# Altium PCB TEBF0808.PcbDoc (part 3 of 11) (continued)
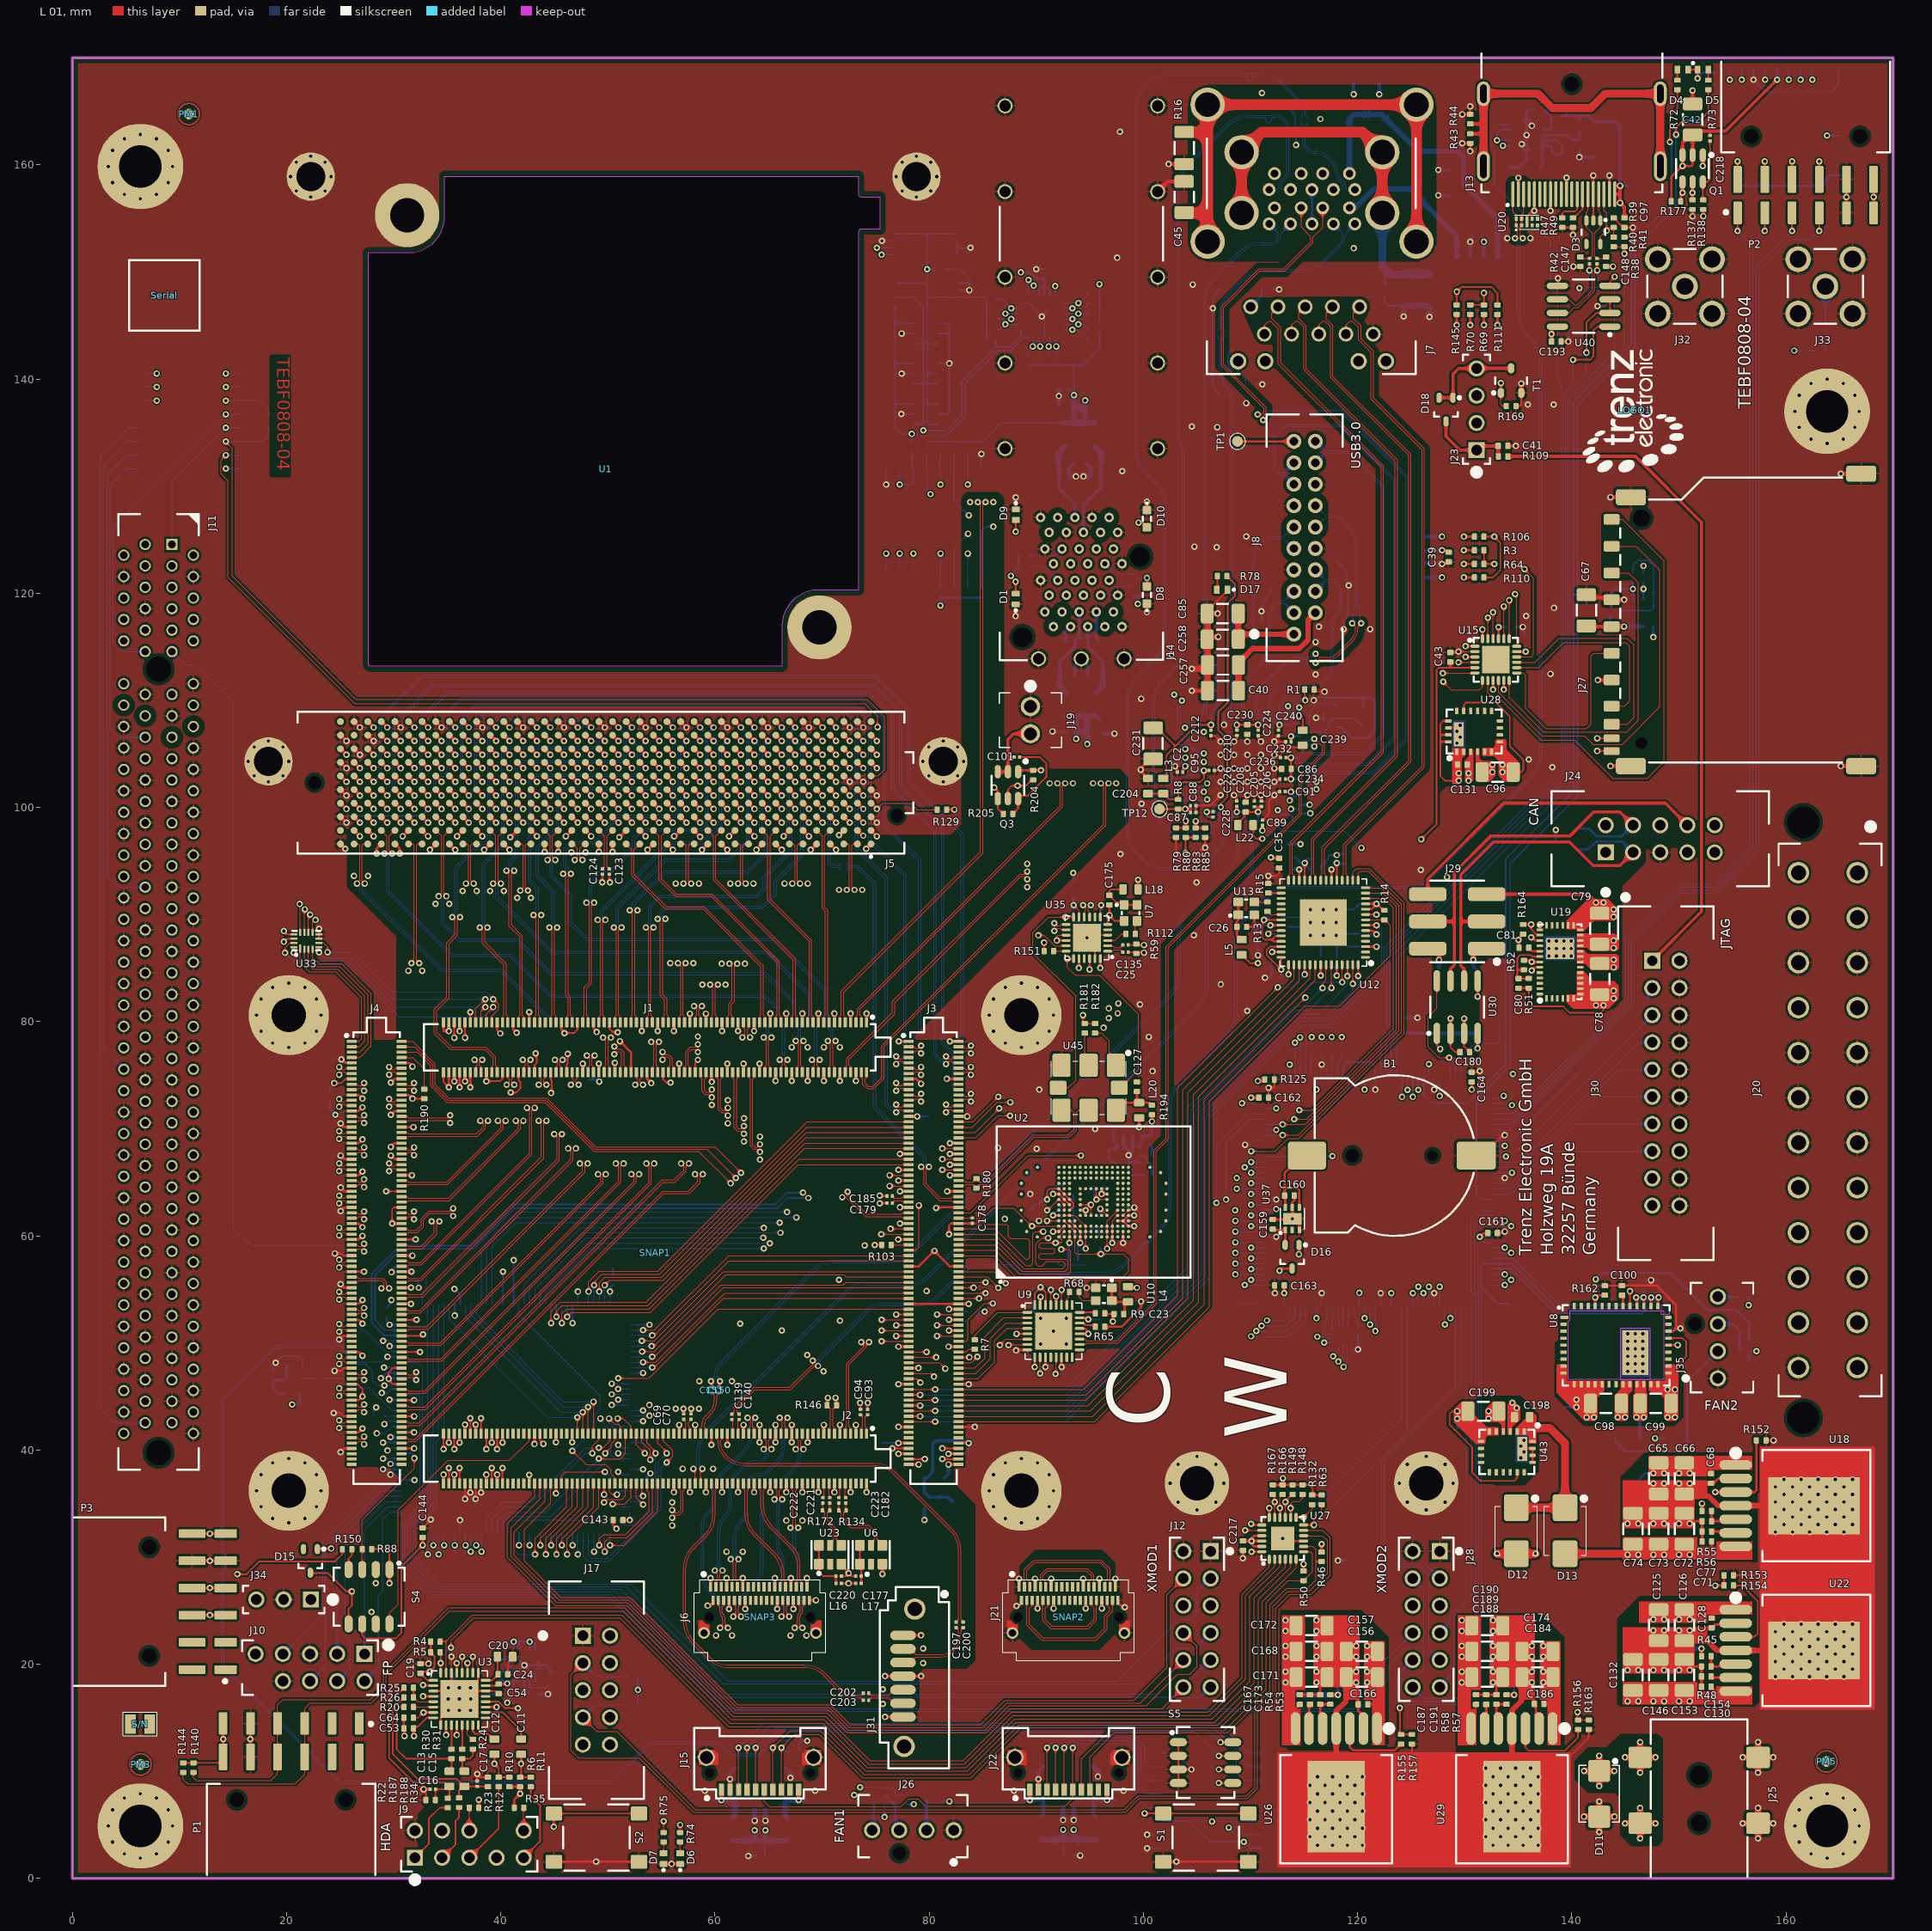
[diagram p0: L 01 view]
## Nets (pads, with @x,y where several pads share a name; then routed paths per layer and width w, separated by ;. In a path a pad name is that pad's centre, name@x,y a point inside that pad or via, vN(x,y) a via of type N, cw(c..) or ccw(c..) an arc to the next point about the centre after c; other vN are vias at no path point) (continued)
  L 01 w0.2: L18.1@99.51,92.35 v1(99.51,93.24) ; C217.2@109.3,31.525 109.325,31.5 v1(110.1,31.5) ; U27.23@111.05,31 110.325,31 110.1,31.225 v1(110.1,31.5) ; U27.22@111.05,31.5 v1(110.1,31.5) ; U27.21@111.05,32 110.3,32 110.1,31.8 v1(110.1,31.5) ; v1(114.525,58.275) D16.1@114.525,59.15
  L 16 w0.1: U39.30@47.2,53.62 v1(47.2,54.79) ; v1(50.95,44.7) U39.51@52.12,44.7 ; U39.37@52.12,51.7 v1(53.89,51.7) ; C22.1@91.85,53.7 v1(91.85,54.35) ; v1(109.46,55.4) U17.37@111.23,55.4 ; U17.66@111.23,69.9 v1(112.4,69.9)
  L 16 w0.15: v1(33.4,19.3) 34.07,19.3 C18.1@34.18,19.19 ; v1(35.7,52.55) U39.7@35.7,53.62 ; U39.16@40.2,53.62 v1(40.2,56.65) ; U39.66@52.12,37.2 53.351,37.2 v1(53.969,37.817) ; R135.2@52.79,16.225 52.795,16.23 v1(52.795,17.6) R136.2@52.795,18.825 ; R142.1@84.545,51.975 R141.1@84.545,52.925 v1(85.175,52.925) ; R90.1@89.325,62.37 89.93,62.975 C107.1@90.25,62.975 90.675,63.4 v1(91,63.4) ; C158.2@89.6,54.85 89.95,55.2 v1(90.4,55.2) ; U16.21@90.26,147.8 90.26,148.315 90.59,148.645 90.76,148.645 ; U16.22@90.76,147.8 90.76,148.645 ; U16.23@91.26,147.8 91.26,148.295 90.91,148.645 90.76,148.645 ; R99.1@93.445,63.85 R92.1@93.445,62.95 R91.1@93.445,62 R94.1@93.445,61.05 R93.1@93.445,60.1 94.1,60.1 94.395,60.395 R96.1@94.9,60.395 94.97,60.395 95.4,60.825 R184.1@95.825,60.825 ; R95.1@95.825,59.97 R184.1@95.825,60.825 ; R184.1@95.825,60.83 R184.1@95.825,60.825 ; v1(99.15,60.9) 98.425,60.9 ; v1(99.15,61.9) 98.5,61.9 C108.1@98.425,61.825 98.425,60.9 ; U17.51@111.23,62.4 112.3,62.4 v1(112.4,62.5) ; v1(116.55,84.3) C27.1@116.55,85.157 ; v1(118.05,84.3) C28.1@118.05,85.107 ; TP7.1@142.6,82.525 142.95,82.175 v1(142.95,81.525) ; R184.1@95.825,60.825 98.35,60.825 98.425,60.9
  L 16 w0.2: v1(88.55,149.955) 89.425,149.955 90.025,149.355 C215.2@90.775,149.355 ; C215.2@90.625,149.205 C215.2@90.775,149.355 ; 90.775,148.66 C215.2@90.775,149.355 ; C14.1@121.05,91 v1(121.75,91)
  other v1: 142.25,81.525 143.9,82.175 143.9,82.875
1.8V_EN: R164.2 U19.27 U39.106 | length 151.8
  L 01 w0.15: R164.2@135.5,89.075 v1(136.2,89.075) 136.2,88.625 136.75,88.075 U19.27@137,88.075
  L 05 S w0.1: v1(33.7,31.11) 33.7,32.575 33.975,32.85 33.975,37.975 35.325,39.325 35.975,39.325 37.9,41.25 75.725,41.25 76.153,41.678 81.228,41.678 84.567,45.017 100.267,45.017 113.15,57.9 114.264,57.9 114.339,57.825 114.711,57.825 114.786,57.9 135,57.9 136.75,59.65 136.75,88.525 v1(136.2,89.075)
  L 16 w0.1: v1(33.7,31.11) U39.106@33.7,32.28
3.3V_MOD: C130.1 C132.1 C146.1 C153.1 J1.151 J1.153 J1.155 J1.157 J1.159 J2.138 J2.140 J2.142 J2.144 J2.153 J2.154 J2.155 J2.156 J2.157 J2.158 J2.159 J2.160 J3.157 J3.158 J3.159 J3.160 L1.2 R45.1 TP4.1 U22.7 | length 30.1
  L 01 w0.15: J2.160@34.655,36.868 v1(34.655,37.7) ; v1(34.655,40.095) J2.159@34.655,41.538 ; J2.158@35.155,36.868 v1(35.155,38.311) ; v1(35.155,40.705) J2.157@35.155,41.538 ; v1(35.155,79.105) J1.157@35.155,79.938 ; J2.156@35.655,36.868 v1(35.655,37.7) ; v1(35.655,40.095) J2.155@35.655,41.538 ; v1(35.655,78.495) J1.155@35.655,79.938 ; J2.154@36.155,36.868 v1(36.155,38.311) ; v1(36.155,40.705) J2.153@36.155,41.538 ; v1(36.155,79.105) J1.153@36.155,79.938 ; v1(36.655,78.495) J1.151@36.655,79.938 ; J2.144@38.655,36.868 v1(38.655,37.7) ; J2.142@39.155,36.868 v1(39.155,38.311) ; J2.140@39.655,36.868 v1(39.655,37.7) ; J2.138@40.155,36.868 v1(40.155,38.311) ; J3.159@78.07,38.653 v1(79.013,38.653) ; J3.157@78.07,39.153 v1(79.588,39.153) ; v1(81.223,39.153) J3.158@82.74,39.153 ; v1(81.798,38.653) J3.160@82.74,38.653
  L 01 w0.2: J1.159@34.655,79.938 34.655,79.147 34.697,79.105 v1(35.155,79.105) ; R45.1@152.105,20.75 v1(152.105,21.45) ; C130.1@153,17.9 153.42,17.48 U22.7@155.3,17.48
  L 16 w0.3: L1.2@81.4,37.39 81.798,37.788 v1(81.798,38.653) ; TP4.1@151.05,21.45 v1(152.105,21.45)
  other v1: 145.2,16.55 146.2,16.55 147.6,16.55 148.6,16.55 150,16.55 151,16.55
3.3V_PCI: C47.1 C48.1 C57.1 C58.1 C167.1 C168.1 C171.1 C172.1 J11.A9 J11.A10 J11.B8 J11.B10 L8.1 L9.1 L11.1 L12.1 R18.2 R21.2 R53.1 R86.2 R87.2 R107.2 R108.2 R113.2 R114.2 R115.2 R117.2 R118.2 R119.1 R120.1 R121.2 R122.2 R123.2 R124.2 R127.2 TP5.1 U26.7 | length 68.2
  L 01 w0.15: U26.7@114.19,14 114.19,15.84 C167.1@114.6,16.25
  L 01 w0.2: R53.1@117.45,17.145 v1(118.15,17.145)
  L 16 w0.15: R122.2@79.75,134.12 83.575,134.12 R127.2@83.6,134.145 84.97,134.145 86.715,135.89 L12.1@92.66,135.89 ; v1(81.05,118.85) R114.2@81.05,119.58 R87.2@82.325,119.58 R108.2@83.6,119.58 R117.2@84.875,119.58 ; v1(87.625,121.625) 87.625,121.7 88.33,122.405 R113.2@88.33,122.525 88.33,123.495 R118.2@88.325,123.5 ; R121.2@89.15,141.335 R115.2@90.15,141.335 ; R115.2@90.01,141.195 R115.2@90.15,141.335 ; C57.1@93,139.15 v1@93.51,138.64 ; v1(93.51,138.49) v1@93.51,138.64 ; 93.51,141.335 v1@93.51,138.64 ; L9.1@95.6,108.51 L9.1@96.01,108.1 ; R119.1@95.9,144.425 95.9,142.88 94.355,141.335 R18.2@92.16,141.335 R21.2@91.16,141.335 R115.2@90.15,141.335 ; R107.2@98.975,119.755 99.475,119.755 ; v1(99.475,119) 99.475,119.755 ; R123.2@99.925,119.755 99.475,119.755
  L 16 w0.2: v1(118.15,17.145) TP5.1@118.15,18.3
  L 16 w0.5: L12.1@92.66,135.89 L12.1@93.51,135.89 ; L8.1@92.8,108.51 L8.1@93.56,108.51 ; v1(93.51,138.49) C58.1@93.51,137.5 ; v1(93.71,106.4) C47.1@93.71,107.1 ; v1(94.55,138) 94.55,137.3 ; v1(94.75,105.91) C48.1@94.75,106.9 ; L11.1@95.46,135.89 L11.1@94.7,135.89 ; L9.1@95.6,108.51 L9.1@94.75,108.51 ; v1(113.26,24.1) v1(113.26,23.1) v1(113.26,21.7) v1(113.26,20.7) v1(113.26,19.3) v1(113.26,18.3) 114.415,17.145 v1(118.15,17.145) ; L12.1@93.51,135.89 C58.1@93.51,137.5 ; L12.1@93.51,135.89 L11.1@94.7,135.89 ; C58.1@93.51,137.5 93.71,137.3 94.55,137.3 ; L8.1@93.56,108.51 93.71,108.36 C47.1@93.71,107.1 ; L8.1@93.56,108.51 L9.1@94.75,108.51 ; C47.1@93.71,107.1 94.55,107.1 C48.1@94.75,106.9 ; 94.55,137.3 94.55,136.04 L11.1@94.7,135.89 ; C48.1@94.75,106.9 L9.1@94.75,108.51
3.3V_PER: C2.1 C21.1 C35.2 C86.2 C103.2 C104.2 C111.2 C112.2 C115.1 C116.1 C131.1 C136.1 C138.1 C169.1 C180.2 C181.2 C187.1 C188.1 C189.1 C190.1 C193.1 C232.2 C234.2 C236.2 C239.1 J5.C39 J5.D32 J5.D36 J5.D38 J5.D40 L2.1 L4.1 L6.1 L7.1 L10.2 L13.1 L14.1 L15.2 L16.1 L17.1 L20.2 L22.1 P1.6 P1.12 P2.6 P2.12 P3.6 P3.12 Q1.4 Q2.4 R2.2 R3.1 R17.1 R29.2 R33.1 R38.1 R46.1 R50.1 R57.1 R62.2 R63.1 R64.1 R69.1 R70.1 R71.2 R76.2 R106.1 R110.1 R111.1 R116.2 R126.2 R129.1 R130.1 R131.1 R132.1 R138.2 R140.1 R144.1 R145.1 R147.2 R148.1 R149.1 R158.1 R165.1 R166.1 R167.1 R173.1 R174.1 R177.1 R178.1 R179.1 R201.1 R202.1 R203.1 TP8.1 U2.H9 U2.J8 U2.K7 U2.M6 U2.N5 U2.T10 U2.U9 U4.34 U4.66 U4.70 U4.75 U4.80 U4.88 U5.1 U5.8 U9.20 U9.21 U12.36 U24.3 U24.8 U28.1 U28.2 U28.17 U28.19 U28.20 U29.7 U30.3 U32.14 U33.13 U34.3 U34.16 U36.4 U36.6 U38.1 U38.2 U38.3 U38.16 U40.8 U41.5 U41.6 U42.6 U44.2 U44.3 U44.16 U47.4 U47.6 | length 210
  L 01 w0.1: v1(7.88,140.52) v1@7.9,140.54 ; P3.12@11.185,32.2 v1(12.835,32.2) P3.6@14.315,32.2 ; P1.12@14.08,11.35 v1(14.08,13) P1.6@14.08,14.48 ; v1@14.3,137.96 v1(14.32,137.98) ; v1@14.3,139.23 v1(14.32,139.25) ; v1@14.3,140.5 v1(14.32,140.52) ; L16.1@71.802,27.55 v1(72.475,27.55) L17.1@73.148,27.55 ; v1@75.96,123.725 v1(75.98,123.705) ; v1(77.25,130.145) v1@77.27,130.125 ; v1@111.725,95.15 v1(111.9,95.325) ; 130.65,15.55 131.05,15.95 C187.1@131.05,16.25 ; C193.1@138.1,143.5 C193.1@138.105,143.495 ; P2.6@168.175,155.51 v1(168.175,156.99) P2.12@168.175,158.64
  L 01 w0.15: R144.1@10.35,10.795 R140.1@11.3,10.795 P1.12@14.15,10.795 ; v1(19.75,88.45) 20.05,88.15 U33.13@20.675,88.15 ; R129.1@81.62,99.8 v1(82.35,99.8) ; v1(91.55,63.9) U2.H9@92.1,63.9 U2.J8@92.6,63.4 U2.K7@93.1,62.9 ; U9.20@94.04,50.85 v1(94.85,50.85) 94.85,51.05 94.55,51.35 U9.21@94.04,51.35 ; U2.M6@94.1,62.4 v1(94.6,62.4) U2.N5@94.6,61.9 ; U2.T10@96.1,64.4 v1(96.1,63.9) U2.U9@96.6,63.9 ; C2.1@103.675,103.3 103.675,103.625 v1(103.9,103.85) ; L22.1@110.235,98.35 110.235,97.365 110.525,97.075 v1(111.1,97.075) ; v1(111.85,89) U12.36@112.86,89 ; v1(111.9,95.325) 111.975,95.25 C35.2@112.675,95.25 ; R166.1@113,36.745 R148.1@114.85,36.745 115.505,36.745 115.8,36.45 115.8,35.795 R63.1@116.65,35.795 R63.1@116.725,35.795 ; C234.2@113.252,102.65 v1(113.77,102.65) v1(113.77,104.65) C236.2@113.302,104.65 ; v1(113.77,106.65) 113.78,106.64 C232.2@113.78,106.125 ; v1(114.535,108.585) 114.875,108.245 C239.1@114.875,107.21 ; R50.1@114.95,28.695 v1(114.95,29.35) ; U28.20@128.475,106.125 127.725,106.125 ; U28.19@128.475,106.775 127.725,106.775 ; U28.17@128.475,108.075 128,108.075 127.725,107.8 127.725,106.775 ; R145.1@129.245,146.92 129.245,148.145 v1(129.25,148.15) 129.7,148.6 132.475,148.6 133.055,148.02 R111.1@133.055,146.92 ; v1(129.45,102.5) 128.15,102.5 127.725,102.925 127.725,106.125 ; v1(129.45,103.2) v1@129.45,103.375 ; v1(129.935,80.285) U30.3@129.935,78.9 129.935,77.665 C180.2@130.45,77.15 ; R70.1@130.515,146.92 R69.1@131.785,146.92 v1(131.785,148.035) ; R110.1@131.795,121.47 132.645,121.47 133.325,122.15 133.325,124.71 v1(132.755,125.28) R106.1@131.795,125.28 ; R3.1@131.795,124.01 R64.1@131.795,122.74 v1(132.76,122.74) ; R38.1@143.2,150.505 v1(143.85,150.505) ; R177.1@150.17,156.575 150.17,157.245 v1(150.325,157.4) ; v1(152.275,155.2) R138.2@152.275,155.83 ; 127.725,106.125 127.725,106.775
  L 01 w0.2: J5.D40@25.036,100.395 v1(25.585,99.846) ; J5.C39@26.306,99.125 v1(26.855,98.576) ; J5.D38@27.576,100.395 v1(28.125,99.846) ; J5.D36@30.116,100.395 v1(30.665,99.846) ; J5.D32@35.196,100.395 v1(35.745,99.846) ; L4.1@98.55,55.26 98.66,55.15 v1(99.4,55.15) ; v1(99.6,70.15) L20.2@99.6,71.015 ; R167.1@112.075,36.745 R166.1@113,36.745 113.025,36.77 v1(113.025,37.375) ; R46.1@116.625,30.47 v1(116.625,31.225) ; R57.1@133.9,17.145 v1(134.6,17.145) ; C193.1@138.1,143.5 v1(138.1,144.2) 138.1,144.7 138.472,145.072 U40.8@138.65,144.895
  L 01 w0.3: v1(150.325,157.4) Q1.4@150.325,158.395
  L 03 S w0.15: v1(131.785,148.035) v1@131.8,148.05 ; v1(132.755,125.28) v1@132.775,125.3
  L 16 w0.1: U38.16@6.45,140.52 v1(7.88,140.52) ; v1(14.32,137.98) U38.3@15.75,137.98 17.5,137.98 18.335,137.145 R126.2@18.335,136.514 ; v1(14.32,139.25) U38.2@15.75,139.25 ; v1(14.32,140.52) U38.1@15.75,140.52 ; R29.2@75.825,6.905 75.825,5.729 v1(75.829,5.725) ; U44.16@75.98,122.275 v1(75.98,123.705) ; v1(77.25,130.145) U44.2@77.25,131.575 ; R203.1@102.605,100.5 R202.1@102.605,101.4 102.2,101.805 102.2,104 102.5,104.3 103.45,104.3 ; R201.1@103.075,104.955 103.075,104.675 103.45,104.3 ; v1(103.9,103.85) 103.45,104.3 ; v1(116.225,50.575) 117,50.575 117.15,50.425 U32.14@117.675,50.425 ; v1(134.6,17.145) TP8.1@134.6,18.4
  L 16 w0.15: R2.2@24.55,100.095 25.336,100.095 v1(25.585,99.846) ; C103.2@64.2,3.5 64.65,3.05 C104.2@64.65,2.1 ; R17.1@67.845,11.85 R33.1@67.845,12.85 v1(68.6,12.85) ; U5.8@76.8,153.55 79.8,153.55 ; U24.8@76.875,148.95 79.8,148.95 ; v1(77.25,130.145) 78.22,130.145 78.52,130.445 U44.3@78.52,131.575 78.4,131.695 R174.1@78.4,133.23 ; C138.1@80.45,150.25 v1(79.8,150.25) ; U36.6@80.775,135.775 80,135.775 79.8,135.975 79.8,137.675 ; U36.4@80.775,137.675 79.8,137.675 ; U41.6@80.8,139.55 79.8,139.55 ; U41.5@80.8,140.5 79.8,140.5 ; U42.6@80.8,143.3 79.8,143.3 ; U5.1@82.6,153.55 79.8,153.55 ; R173.1@85.355,143.73 R62.2@85.355,144.655 R116.2@85.355,145.605 R76.2@85.355,146.525 R71.2@85.355,147.425 85.13,147.65 U24.3@82.675,147.65 79.8,147.65 ; v1(91.55,63.9) 91.55,64.35 91.95,64.75 C115.1@92.55,64.75 ; C112.2@92.55,2.15 C111.2@92.55,3.16 ; C21.1@94.2,50.87 94.83,50.87 v1(94.85,50.85) ; R165.1@95.895,145.33 R130.1@95.895,147.155 R131.1@95.895,148.08 v1(95.895,148.86) ; v1(96.1,63.9) 96.325,64.125 C116.1@96.325,64.625 ; U47.4@97.575,66.875 96.95,66.875 96.8,67.025 96.8,68.025 96.95,68.175 U47.6@97.575,68.175 ; U34.3@101.775,5.355 104.295,5.355 106.225,3.425 v1(109.375,3.425) ; v1(103.9,103.85) U4.34@104.775,103.85 ; C136.1@110.51,88.35 110.51,88.46 111.05,89 v1(111.85,89) 112.35,89 C169.1@112.5,88.85 ; v1(113.77,102.65) U4.80@114.645,102.65 ; v1(113.77,104.65) U4.75@114.645,104.65 ; v1(113.77,106.65) U4.70@114.645,106.65 ; U4.66@113.91,108.585 v1(114.535,108.585) ; U4.88@114.645,99.45 v1(115.575,99.45) ; Q2.4@145.7,119.405 v1(145.7,120.4) R147.2@145.7,121.03 ; 79.8,137.675 79.8,139.55 ; 79.8,139.55 79.8,140.5 ; 79.8,140.5 79.8,143.3 ; 79.8,143.3 79.8,147.65 ; 79.8,147.65 79.8,148.95 ; 79.8,148.95 v1(79.8,150.25) ; v1(79.8,150.25) 79.8,153.55
  L 16 w0.2: v1(20.525,44.25) 20.975,44.25 21.235,44.51 L15.2@21.235,45.3 ; L10.2@93.45,93.11 v1(93.45,93.875) ; U47.6@97.575,68.175 97.575,68.5 97.225,68.85 C181.2@97.225,69.325 97.225,69.9 97.475,70.15 v1(99.6,70.15) ; v1(109.375,3.425) 109.985,2.815 U34.16@111.075,2.815 ; v1(111.9,95.325) L7.1@112.765,95.325 ; R158.1@140.705,147.7 v1(140.705,148.495) ; R178.1@143.575,118.845 143.575,119.9 144.075,120.4 v1(145.7,120.4)
  L 16 w0.5: L2.1@61.65,3.51 L6.1@66.75,3.51 ; C103.2@63.7,3.56 v1(63.7,4.5) ; C103.2@64.7,3.56 v1(64.7,4.5) ; L13.1@90.45,3.61 C111.2@92.5,3.61 ; v1(92.5,4.55) C111.2@92.5,3.61 ; v1(93.5,4.55) C111.2@93.5,3.61 ; L14.1@95.55,3.61 C111.2@93.5,3.61 ; C111.2@92.5,3.61 C111.2@93.5,3.61
  other v1: 129.73,18.3 129.73,19.3 129.73,20.7 129.73,21.7 129.73,23.1 129.73,24.1
3.3V_SD_A: C42.1 C46.2 C218.1 J16.4 Q1.2 Q1.3 R177.2 U15.21 | length 74.3
  L 01 w0.15: U15.21@133.15,115.75 v1(133.15,116.825) ; C218.1@152.9,162.73 152.9,163.15
  L 01 w0.2: R177.2@149.28,156.575 149.28,158.855 v1(150.325,159.9) ; Q1.3@150.325,160.905 v1(150.325,159.9) ; Q1.2@151.275,160.905 151.275,160 151.175,159.9 v1(150.325,159.9)
  L 01 w0.3: Q1.3@150.325,160.905 150.325,162.05 151.05,162.775 C42.1@151.275,162.775 ; Q1.2@151.275,160.905 C42.1@151.275,162.775 ; v1(159.15,167.95) 154.35,163.15 152.9,163.15 151.65,163.15 C42.1@151.275,162.775
  L 09 P w0.3: v1(133.15,116.825) 141.65,125.325 141.65,139.55 145.175,143.075 145.175,151.025 149.525,155.375 149.525,159.1 v1(150.325,159.9)
  L 16 w0.15: v1(133.15,116.825) 133.175,116.85 C46.2@133.825,116.85
  L 16 w0.3: v1(159.15,167.95) 159.155,167.945 J16.4@159.155,168.95
3.3V_SD_B: C67.1 C165.2 C219.1 J27.4 Q2.2 Q2.3 R178.2 U15.17 | length 20.4
  L 01 w0.15: U15.17@134.85,114.55 v1@135.85,114.55
  L 01 w0.3: C67.1@141.35,116.95 141.415,116.885 J27.4@143.71,116.885 v1(144.885,116.885)
  L 03 S w0.15: v1@135.85,114.55 138.185,116.885 v1(144.885,116.885)
  L 16 w0.15: C165.2@135.575,115.15 135.575,114.852 ccw(c136.002,114.852) v1(135.7,114.55) ; C219.1@144.45,117.873 144.45,117.32 v1(144.885,116.885)
  L 16 w0.2: R178.2@143.575,117.955 143.575,117.15 143.84,116.885 v1(144.885,116.885)
  L 16 w0.3: v1(144.885,116.885) 144.895,116.895 Q2.3@145.7,116.895 Q2.2@146.65,116.895
3V3SB: C141.1 C142.1 C143.1 C144.1 C161.1 C162.1 C163.1 C164.1 C199.1 J12.5 J28.5 J28.6 J30.1 R81.1 R109.1 R183.1 R199.2 S4.6 TP10.1 U17.7 U17.16 U17.30 U17.36 U17.72 U17.79 U17.88 U17.102 U17.108 U17.118 U17.123 U17.135 U17.144 U39.36 U39.72 U39.79 U39.88 U39.102 U39.108 U39.118 U39.123 U39.135 U39.144 U43.5 U43.6 U43.7 U43.15 | length 146.7
  L 01 w0.1: v1(130.65,73.65) C164.1@130.65,74.37
  L 01 w0.15: S4.6@27.065,23.76 27.065,22.66 27.3,22.425 30.2,22.425 30.725,22.95 30.725,29.135 v1(32.7,31.11) ; C143.1@51.4,33.45 v1(52.05,33.45) ; v1(113.15,54.65) C163.1@113.15,55.375 ; v1@129.294,43.616 128.834,43.616 128.584,43.366 128.584,42.366 130.684,40.266 130.684,37.916 131.484,37.116 134.634,37.116 134.899,37.381 U43.15@134.899,37.926 ; v1(131.4,59.9) 131.75,60.25 C161.1@132.15,60.25
  L 01 w0.2: v1(32.7,31.11) C144.1@32.7,31.83 ; v1(110.06,72.9) C162.1@110.78,72.9
  L 01 w0.3: R109.1@134.02,132.775 145.95,132.775 152.1,126.625 152.1,90.275 J30.1@147.505,85.68
  L 16 w0.1: v1(32.7,31.11) U39.108@32.7,32.28 ; R81.1@35.655,30.3 35.7,30.345 v1(35.7,31.11) U39.102@35.7,32.28 ; v1(42.7,31.11) U39.88@42.7,32.28 ; v1@47.2,30.51 U39.79@47.2,32.28 ; U39.36@50.2,53.62 v1(50.2,54.79) ; v1(52.05,33.45) 52.05,34.13 U39.72@52.12,34.2 ; v1(110.06,72.9) U17.72@111.23,72.9 ; U17.36@113.15,53.48 v1(113.15,54.65) ; v1(116.15,52.31) U17.30@116.15,53.48 ; v1(116.15,73.65) U17.79@116.15,74.82 ; v1(120.65,73.65) U17.88@120.65,74.82 ; U17.16@123.15,53.48 v1(123.15,54.65) ; U17.7@127.65,53.48 v1(127.65,55.25) ; v1(127.65,73.05) U17.102@127.65,74.82 ; v1(130.65,73.65) U17.108@130.65,74.82 ; U17.144@132.57,55.4 v1(133.74,55.4) 134.175,54.965 R183.1@134.175,54.545 ; U17.123@132.57,65.9 v1(134.4,65.9)
  L 16 w0.15: v1(28.8,46.7) 29.3,47.2 U39.135@30.78,47.2 ; C141.1@29.27,52.4 C141.1@29.35,52.4 29.35,51.96 v1(29.61,51.7) U39.144@30.78,51.7 ; v1(29.71,38.7) U39.118@30.78,38.7 ; v1(29.71,41.2) U39.123@30.78,41.2 ; v1(131.4,59.9) U17.135@132.57,59.9 ; U17.118@132.57,68.4 v1(133.74,68.4)
  L 16 w0.2: v1(50.2,54.79) 50.2,55.15 C142.1@50.45,55.4 ; TP10.1@129.294,41.956 v1(129.294,42.926) ; v1(142.225,55.95) 142.825,56.55 149.2,56.55 152.675,53.075 155.4,53.075 156.545,51.93 R199.2@156.545,50.2
  other v1: 47.2,30.26 129.294,43.626
5V: C39.1 C71.1 C72.1 C73.1 C74.1 C79.2 C82.1 C99.2 C207.1 D13.2 J10.9 J29.5 Q3.4 R55.1 R65.1 R80.1 R83.2 R205.2 TP6.1 U8.21 U8.22 U8.23 U8.24 U8.28 U14.7 U18.7 U19.19 U19.20 U19.21 U19.33 U21.7 U31.1 U31.2 U31.4 U46.1 U46.2 U46.4 U46.5 | length 297
  L 01 w0.15: v1(86.075,101.85) 86.4,101.525 Q3.4@86.4,100.82 86.4,99.905 R205.2@86.905,99.4 ; v1(103.925,95.725) 103.925,97.18 R80.1@103.95,97.205 R83.2@104.86,97.205 ; J29.5@132.05,91.89 J29.5@132.09,91.85 ; v1(136.25,84.775) 136.55,85.075 U19.33@137,85.075 ; U8.28@149.026,50.441 150.336,50.441 150.676,50.101 150.676,48.751 149.576,47.651 ; 153.05,30.35 C71.1@153.05,31.45
  L 01 w0.2: R65.1@96.395,51.5 97.95,51.5 99.775,53.325 v1(99.775,53.875) ; v1(127.88,124.01) 128.315,124.01 C39.1@128.5,123.825 ; R55.1@152.15,34.3 v1(152.15,35)
  L 01 w0.3: J29.5@131.165,91.89 J29.5@132.05,91.89 141.485,91.89 v1(142.25,91.125)
  L 01 w0.75: D13.2@139.366,30.316 150.914,30.316 v1(151,30.23)
  L 03 S w0.15: v1@86.05,101.85 v1(86.075,101.85)
  L 08 P w0.2: v1(145.2,30.23) 146.02,31.05 150.75,31.05 152.15,32.45 v1(152.15,35)
  L 10 P w0.2: v1(99.775,53.875) 107.999,45.651 v1(148.926,45.651)
  L 10 P w0.5: J10.9@16.61,20.96 18.6,22.95 40.35,22.95 v1(41.2,22.1) v1(42.7,22.1) 45.5,19.3 45.5,6.3 49,2.8 72.7,2.8 74.475,1.025 99.665,1.025 101.14,2.5 110.85,2.5 111.75,3.4 111.75,12.15 112.15,12.55 141.05,12.55 142.95,14.45 142.95,27.98 v1(145.2,30.23) v1(146.2,30.23) v1(147.6,30.23) v1(148.6,30.23) v1(150,30.23) v1(151,30.23)
  L 16 w0.15: U14.7@126.265,123.825 U14.7@126.45,124.01 ; C82.1@131.625,153.6 131.625,152.965 v1(131.785,152.805) ; v1(133.565,161.785) U31.1@134.295,161.785 ; U31.2@134.295,162.285 v1(133.015,162.285) 133.015,162.84 133.46,163.285 U31.4@134.295,163.285 ; v1(151,30.23) 152.03,30.23 TP6.1@152.05,30.25
  L 16 w0.2: C207.1@39.8,21.35 39.8,21.8 40.1,22.1 v1(41.2,22.1) ; U46.1@41.2,21.37 v1(41.2,22.1) ; U46.2@41.7,21.37 41.7,22.1 ; U46.4@42.7,21.37 v1(42.7,22.1) ; U46.5@43.2,21.37 43.2,21.92 43.02,22.1 v1(42.7,22.1) ; v1(41.2,22.1) 41.7,22.1 ; 41.7,22.1 v1(42.7,22.1)
  L 16 w0.3: U14.7@126.45,124.01 v1(127.88,124.01) ; U21.7@131.785,151.375 v1(131.785,152.805)
  other v1: 148.926,43.051 149.626,43.051 149.626,45.651 143.9,89.775 143.9,90.475 142.95,91.125
5V_EN: D15.1 U39.115 | length 12.9
  L 01 w0.15: D15.1@22.875,30.75 22.925,30.8 v1(24.175,30.8)
  L 05 S w0.15: v1(24.175,30.8) 25.55,30.8 v1(31.95,37.2)
  L 16 w0.15: U39.115@30.78,37.2 v1(31.95,37.2)
5VSBIN: D12.2 J20.9 | length 3.6
  L 01 w0.75: v1(133.016,30.316) D12.2@134.816,30.316 v1(136.616,30.316)
12V: C65.2 C66.2 C68.1 C125.2 C126.2 C128.1 C156.2 C157.2 C166.1 C174.2 C184.2 C186.1 D11.1 J5.C35 J5.C37 J11.A2 J11.A3 J11.B1 J11.B2 J11.B3 J20.10 J20.11 J25.1 L19.2 L21.2 R150.2 TP11.1 U18.1 U22.1 U26.1 U29.1 U48.4 | length 46.9
  L 01 w0.15: v1(15.4,28.4) 16.265,28.4 17.465,29.6 24.525,29.6 25.2,30.275 R150.2@25.2,30.725
  L 01 w0.2: J5.C37@28.846,99.125 v1(29.395,98.576) ; J5.C35@31.386,99.125 v1(31.935,98.576) ; C166.1@120.95,16.25 121.85,16.25 121.85,14 U26.1@121.81,14 ; C186.1@137.4,16.3 138.1,16.3 138.21,16.19 U29.1@138.21,14 ; C68.1@153,37.8 153,38.6 153.01,38.61 ; C128.1@153.05,24.3 153.05,24.9 153.25,25.1 U22.1@155.3,25.1
  L 01 w0.3: v1@147.59,37.84 v1(147.6,37.83)
  L 01 w0.5: v1(141.13,10.035) D11.1@142.55,10.035 ; v1(142.55,8.615) D11.1@142.55,10.035 ; v1(142.55,11.455) D11.1@142.55,10.035 ; v1(143.97,10.035) D11.1@142.55,10.035 ; v1(144.96,5.15) J25.1@146.38,5.15 ; v1(144.96,11.3) J25.1@146.38,11.3 ; v1(146.38,3.73) J25.1@146.38,5.15 ; v1(146.38,6.57) J25.1@146.38,5.15 ; v1(146.38,9.88) J25.1@146.38,11.3 ; v1(146.38,12.72) J25.1@146.38,11.3 ; v1(147.8,5.15) J25.1@146.38,5.15 ; v1(147.8,11.3) J25.1@146.38,11.3
  L 16 w0.15: v1(151,37.83) 151.98,37.83 TP11.1@152.05,37.9
  L 16 w0.2: L19.2@81.16,7.2 v1(81.875,7.2) ; U48.4@146.35,34.6 146.35,37.35 146.83,37.83 v1(147.6,37.83) ; L21.2@150.775,39.015 151,38.79 v1(151,37.83)
  L 16 w0.3: v1@120.885,20.705 v1(120.89,20.7)
  other v1: 120.89,18.3 137.33,18.3 120.89,19.3 137.33,19.3 137.33,20.7 120.89,21.7 137.33,21.7 147.6,24.18 148.6,24.18 150,24.18 151,24.18 148.6,37.83 150,37.83
A2_N: C200.2 J31.3 | length 7.6
  L 01 w0.1: J31.3@77.55,20.155 78.205,20.155 78.73,20.68 81.084,20.68 ccw(c81.084,22.266) 82.206,21.144 ccw(c80.384,22.966) 82.96,22.966 82.96,23.075 cw(c83.28,23.075) 83.054,23.301 C200.2@83.175,23.423
A2_P: C197.2 J31.2 | length 7.2
  L 01 w0.1: J31.2@77.55,21.425 78.2,21.425 78.725,20.9 81.084,20.9 ccw(c81.084,22.266) 82.05,21.3 ccw(c80.384,22.966) 82.74,22.966 82.74,23.075 ccw(c82.42,23.075) 82.646,23.301 C197.2@82.525,23.423
A_I2C_SCL: R5.1 U3.32 U27.4 | length 102.4
  L 01 w0.1: R5.1@34.345,21.125 34.39,21.08 v1(34.39,20.1) U3.32@34.39,19.19 ; v1(35.35,21.55) 35.35,22.2 37.45,24.3 51.131,24.3 61.249,14.182 69.918,14.182 74.068,10.032 83.572,10.032 88.115,14.575 106.651,14.575 110.35,18.274 110.35,26.2 113.25,29.1 U27.4@113.25,29.8
  L 16 w0.1: v1(34.39,20.1) 34.39,20.59 v1(35.35,21.55)
A_I2C_SDA: R4.1 U3.31 U27.3 | length 101.3
  L 01 w0.1: R4.1@34.385,22.14 34.89,22.14 ; U3.31@34.89,19.19 34.89,22.14 ; U27.3@112.75,29.8 112.75,29.15 109.95,26.35 109.95,18.439 106.404,14.893 87.983,14.893 83.44,10.35 74.2,10.35 70.05,14.5 61.381,14.5 51.263,24.618 37.368,24.618 34.89,22.14
ADC_SDATA: J3.55 U3.26 | length 69.7
  L 01 w0.1: U3.26@37.39,19.19 v1(37.39,20.7) ; v1(76.3,64.653) J3.55@78.07,64.653
  L 03 S w0.1: v1(37.39,20.7) 37.39,26.84 40.236,29.686 40.236,34.786 42.15,36.7 42.15,40.84 66.265,64.955 75.998,64.955 v1(76.3,64.653)
AVDD3: C33.2 C34.2 L7.2 U12.20 U12.25 | length 8.6
  L 01 w0.15: U12.25@115.05,93.19 v1(115.05,94.8) ; U12.20@117.55,93.19 v1(117.55,94.2)
  L 03 S w0.5: v1(115.05,94.8) 116.95,94.8 v1(117.55,94.2)
  L 16 w0.15: C33.2@115.7,94.025 115.05,94.675 v1(115.05,94.8) 115.05,95 115.25,95.2 C34.2@115.84,95.2
  L 16 w0.2: L7.2@114.185,95.325 114.71,94.8 v1(115.05,94.8)
AVDD18: C29.1 C30.1 C31.1 C32.1 U12.3 U12.19 U12.26 U12.35 U12.38 U12.39 | length 12.9
  L 01 w0.15: U12.39@112.86,87.5 112.15,87.5 112,87.65 ; U12.38@112.86,88 112.35,88 112,87.65 ; U12.35@112.86,89.5 v1(111.25,89.5) 111.1,89.35 111.1,87.85 111.3,87.65 112,87.65 ; U12.26@114.55,93.19 v1(114.55,94.2) ; U12.19@118.05,93.19 v1(118.05,94.8) ; U12.3@120.74,87 v1(121.75,87)
  L 16 w0.15: v1@111.24,89.51 v1(111.25,89.5) 111.5,89.75 C30.1@111.95,89.75 ; C29.1@113.9,94.2 v1(114.55,94.2) ; v1(118.05,94.8) 118.1,94.75 C32.1@118.85,94.75 ; C31.1@121,87 v1(121.75,87)
AVDD_CORE: C89.2 C91.2 C95.2 C204.1 L3.1 R8.2 U4.8 U4.33 U4.83 | length 11.8
  L 01 w0.15: C204.1@100.425,101.29 L3.1@101.85,101.29 102.395,100.745 R8.2@103.25,100.745 103.25,101.875 103.75,102.375 105.3,102.375 105.65,102.725 v1(105.65,103.45) C95.2@106.123,103.45 ; v1@111.095,97.825 v1(111.11,97.84) 111.111,97.841 C89.2@111.111,98.318 ; C91.2@113.227,101.475 113.745,101.475 v1(113.77,101.45)
  L 16 w0.15: U4.33@104.775,103.45 v1(105.65,103.45) ; v1(111.11,97.84) U4.8@111.11,98.715 ; v1(113.77,101.45) U4.83@114.645,101.45
AVDD_SS: C205.1 C206.1 C208.2 L22.2 U4.9 | length 4.7
  L 01 w0.15: L22.2@108.815,98.35 108.815,98.515 109.4,99.1 109.4,99.425 C208.2@109.55,99.575 110.695,99.575 v1(110.71,99.59) 110.71,100.073 ; C205.1@110.364,100.073 110.71,100.073 ; C206.1@111.014,100.075 111.012,100.073 110.71,100.073
  L 16 w0.15: U4.9@110.71,98.715 v1(110.71,99.59)
B2_N: C202.2 J31.5 | length 3.5
  L 01 w0.1: C202.2@74.352,17.3 74.567,17.085 76.185,17.085 76.715,17.615 J31.5@77.55,17.615
B2_P: C203.2 J31.6 | length 3.5
  L 01 w0.1: C203.2@74.352,16.65 74.552,16.85 76.2,16.85 76.705,16.345 J31.6@77.55,16.345
B47_L5_N: J3.54 R180.2 U45.4 | length 16
  L 01 w0.1: J3.54@82.74,65.153 83.255,65.153 83.395,65.013 84.068,65.013 R180.2@84.4,65.345 84.735,65.01 85.299,65.01 89.714,69.425 93,69.425 93.507,69.932 93.507,71.5 93.283,71.725 U45.4@92.347,71.725
B47_L5_P: J3.56 R180.1 U45.5 | length 16.3
  L 01 w0.1: J3.56@82.74,64.653 83.255,64.653 83.395,64.793 84.062,64.793 R180.1@84.4,64.455 84.735,64.79 85.39,64.79 89.805,69.205 93.091,69.205 93.727,69.841 93.727,71.5 93.952,71.725 U45.5@94.887,71.725
B48_L1_N: J3.17 J5.F31 | length 83.1
  L 01 w0.1: v1(76.908,74.263) 77.158,74.013 77.415,74.013 77.555,74.153 J3.17@78.07,74.153
  L 01 w0.2: J5.F31@36.466,102.935 v1(37.015,102.386)
  L 16 w0.1: v1(37.015,102.386) 36.49,102.911 36.49,108.19 37.63,109.33 73.07,109.33 74.35,108.05 74.35,96.864 77.63,93.584 77.63,74.193 77.45,74.013 77.158,74.013 v1(76.908,74.263)
B48_L1_P: J3.19 J5.F32 | length 84.2
  L 01 w0.1: v1(76.908,73.543) 77.158,73.793 77.415,73.793 77.555,73.653 J3.19@78.07,73.653
  L 01 w0.2: J5.F32@35.196,102.935 v1(35.745,102.386)
  L 16 w0.1: v1(35.745,102.386) 36.27,102.911 36.27,108.282 37.539,109.55 73.161,109.55 74.57,108.141 74.57,96.955 77.85,93.675 77.85,74.102 77.541,73.793 77.158,73.793 v1(76.908,73.543)
B48_L2_N: J3.21 J5.K35 | length 86.2
  L 01 w0.1: J3.21@78.07,73.153 78.585,73.153 78.725,73.013 78.982,73.013 v1(79.232,73.263)
  L 01 w0.2: J5.K35@31.386,108.015 v1(31.935,107.466)
  L 12 S w0.08: v1(31.935,107.466) 32.47,108.001 32.47,108.753 34.017,110.3 74.831,110.3 76.7,108.431 76.7,101.6 78.3,100 78.3,73.303 78.6,73.003 78.972,73.003 v1(79.232,73.263)
B48_L2_P: J3.23 J5.K34 | length 85.9
  L 01 w0.1: J3.23@78.07,72.653 78.585,72.653 78.725,72.793 78.982,72.793 v1(79.232,72.543)
  L 01 w0.2: J5.K34@32.656,108.015 v1(33.205,107.466)
  L 12 S w0.08: v1(33.205,107.466) 32.67,108.001 32.67,108.67 34.1,110.1 74.749,110.1 76.5,108.349 76.5,101.517 78.1,99.917 78.1,73.22 78.517,72.803 78.972,72.803 v1(79.232,72.543)
B48_L3_N: J3.7 J5.J34 | length 80.3
  L 01 w0.1: v1(76.908,76.763) 77.158,76.513 77.415,76.513 77.555,76.653 J3.7@78.07,76.653
  L 01 w0.2: J5.J34@32.656,106.745 v1(33.205,106.196)
  L 12 S w0.08: v1(33.205,106.196) 33.74,106.731 33.74,108.173 35.167,109.6 74.683,109.6 76,108.283 76,76.75 76.247,76.503 76.648,76.503 v1(76.908,76.763)
B48_L3_P: J3.9 J5.J33 | length 80
  L 01 w0.1: v1(76.908,76.043) 77.158,76.293 77.415,76.293 77.555,76.153 J3.9@78.07,76.153
  L 01 w0.2: J5.J33@33.926,106.745 v1(34.475,106.196)
  L 12 S w0.08: v1(34.475,106.196) 33.94,106.731 33.94,108.09 35.25,109.4 74.6,109.4 75.8,108.2 75.8,76.667 76.164,76.303 76.648,76.303 v1(76.908,76.043)
B48_L4_N: J3.11 J5.E34 | length 88.5
  L 01 w0.1: J3.11@78.07,75.653 78.585,75.653 78.725,75.513 78.982,75.513 v1(79.232,75.763)
  L 01 w0.2: J5.E34@32.656,101.665 v1(33.205,101.116)
  L 16 w0.1: v1(33.205,101.116) 33.73,101.641 33.73,102.792 34.089,103.15 34.8,103.15 35,103.35 35,109.011 36.239,110.25 73.8,110.25 75.92,108.13 75.92,98.391 79.237,95.074 79.237,79.076 78.5,78.339 78.5,75.75 78.737,75.513 78.982,75.513 v1(79.232,75.763)
B48_L4_P: J3.13 J5.E33 | length 88.1
  L 01 w0.1: J3.13@78.07,75.153 78.585,75.153 78.725,75.293 78.982,75.293 v1(79.232,75.043)
  L 01 w0.2: J5.E33@33.926,101.665 v1(34.475,101.116)
  L 16 w0.1: v1(34.475,101.116) 33.95,101.641 33.95,102.7 34.18,102.93 34.891,102.93 35.22,103.259 35.22,108.92 36.33,110.03 73.709,110.03 75.7,108.039 75.7,98.3 79.017,94.983 79.017,79.167 78.28,78.43 78.28,75.659 78.646,75.293 78.982,75.293 v1(79.232,75.043)